# Altium PCB NORA-B1-EVK.PcbDoc (part 4 of 6)
Units mil, origin at the board's own origin, x right, y up, seen from the top; angles counter-clockwise.
Board outline 4300 x 2200 mil, 4 copper layers (L1, L2, L3, L4), stack 61.418 mil thick; 362 components, 204 nets, 1273 pads, 1409 vias.
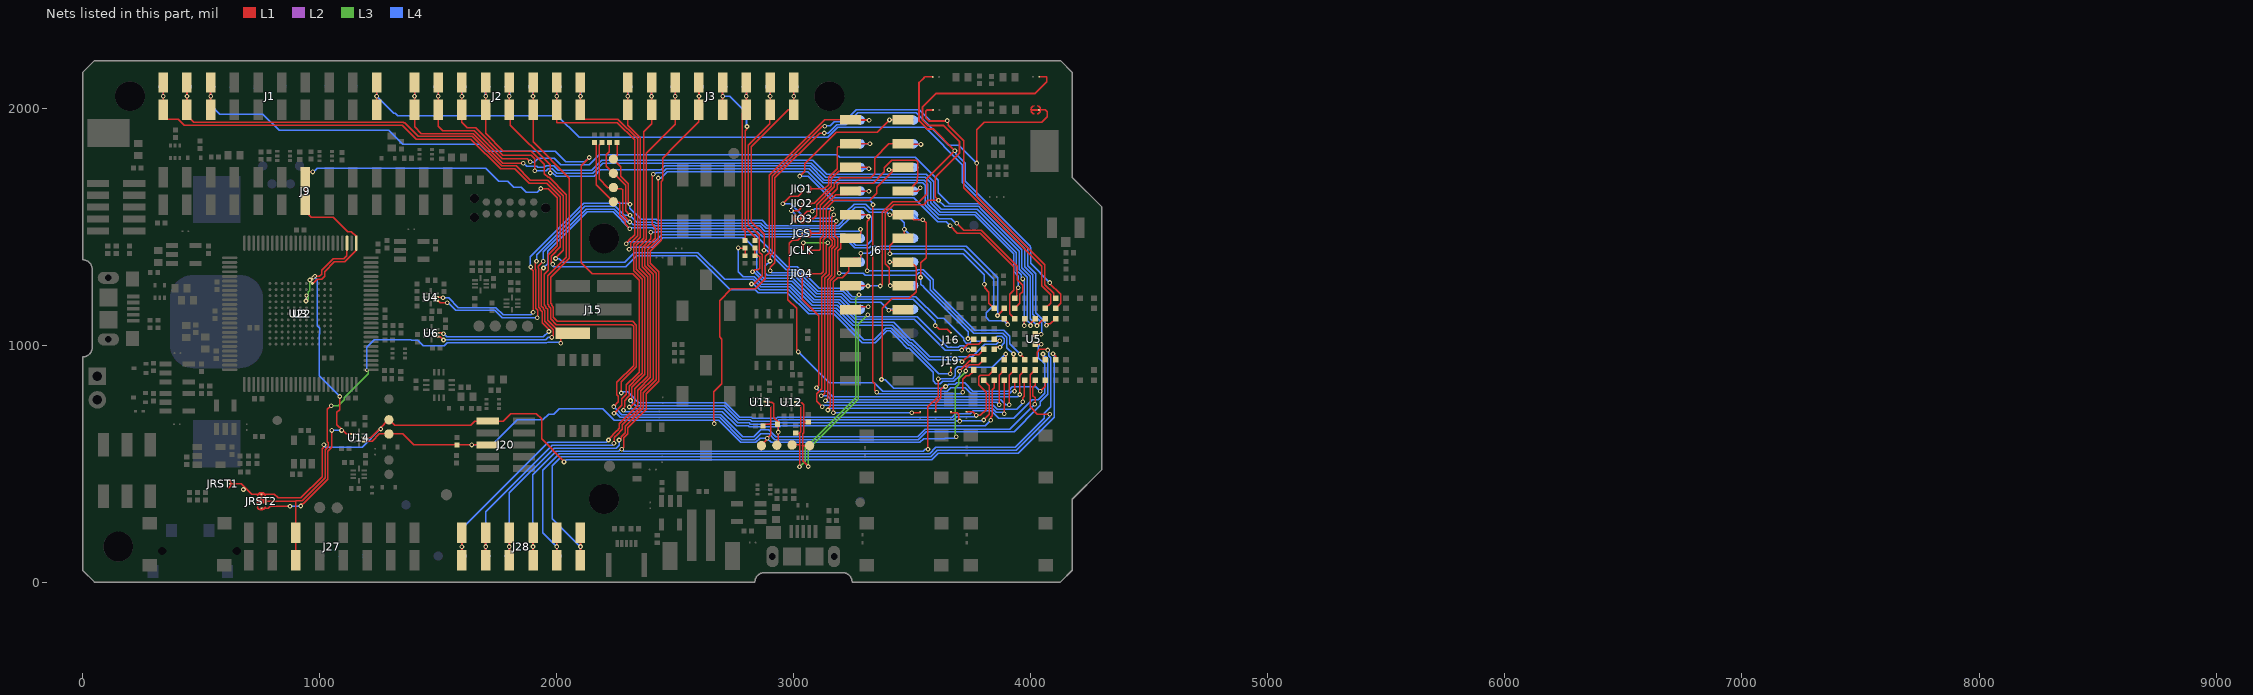
[diagram p6: the nets of this part, all layers, seen from the top]

## Via types
v1: diameter 20, hole 10, L1 to L4, 1095 vias
v2: diameter 15.75, hole 7.87, L1 to L2, 114 vias
v3: diameter 20, hole 10, L1 to L4, tented both sides, 105 vias
v4: diameter 15.75, hole 7.87, L3 to L4, 48 vias
v5: diameter 20, hole 10, L2 to L3, 47 vias

## Nets (pads, with @x,y where several pads share a name; then routed paths per layer and width w, separated by ;. In a path a pad name is that pad's centre, name@x,y a point inside that pad or via, vN(x,y) a via of type N, cw(c..) or ccw(c..) an arc to the next point about the centre after c; other vN are vias at no path point) (continued)
nMOD_RESET: JRST2.3 U3.78 U14.2 U22.C7 | length 1763
  L1 w6: JRST2.3@754,311.92 767.9,311.92 782.9,311.92 791.59,320.61 v1(874.99,320.61) ; v1@920.28,325.79 925.2,330.71 930.47,330.71 1034.54,434.78 1034.54,553 1051.1,569.56 1051.1,639.92 v1(1051.39,640.21) ; v2@976.97,1289.97 973.35,1286.36 v2(973.35,1285.05) 977.88,1289.57 998.75,1289.57 1008.95,1299.77 1008.95,1314.75 1057.53,1363.33 1100.97,1363.33 1115.16,1377.52 U3.78@1115.16,1430.33 ; v1(1084.15,783.19) 1084.15,727.42 1072.93,716.2 1072.93,662.96 1081.62,654.27 1084.09,654.27 1112.62,625.75 U14.2@1141.38,625.75
  L2 w6: v5(942.37,1185.9) 943.74,1185.9 v2@943.74,1208.3 ; v5(958.71,1274.49) 960.75,1274.49 971.31,1285.05 v2(973.35,1285.05)
  L3 w6: v5(942.37,1185.9) 952.44,1195.97 952.44,1224.04 958.71,1230.3 v5(958.71,1274.49) 963.17,1274.49 v4(980.38,1291.7)
  L4 w6: v1(874.99,320.61) 919.69,320.61 v1(920.28,321.2) ; v4(980.38,1291.7) 976.93,1288.25 990,1275.18 990,1080.97 999.75,1071.22 999.75,1047.46 997.51,1045.22 997.51,869.83 v1(1084.15,783.19) ; v1(1051.39,640.21) v1(1092.46,640.21)
  other v2: 943.9,1208.86
nRESET: J20.10 JRST1.3 JRST2.1 TP17.1 U5.J3 U14.7 | length 4372.9
  L1 w6: JRST1.3@619.55,415 626.42,415 669,415 679.32,404.68 685.61,398.39 ; v1(678.15,390.93) 685.61,398.39 ; v1(1017.72,579.75) 1017.72,569.85 1010.73,562.86 1010.73,444.64 921.09,355 824.41,355 808.41,371 767.9,371 JRST2.1@754,371 740.1,371 713,371 685.61,398.39 ; U14.7@1188.62,610 1214.9,610 v1@1255.17,650.26 ; v1(1257.89,646.09) 1257.89,647.53 v1@1255.16,650.26 ; v1(2030.51,507.28) 2030.51,510.28 1936.02,604.76 1936.02,688.81 1914.47,710.37 1805.84,710.37 1774.47,679 J20.10@1708.23,679 1707.9,678.67 1654.65,678.67 1637.31,661.33 1315.67,661.33 TP17.1@1292,685 1289.9,685 v1@1255.17,650.26 ; v1(4093.7,963.63) 4104.92,952.41 U5.J3@4104.92,938.39
  L4 w6: v1(1017.72,579.75) 1017.72,575.04 1023.85,568.91 1179.22,568.91 1256.41,646.09 v1(1257.89,646.09) ; v1(2030.51,507.28) 2040.31,517.08 3071.47,517.08 3582.41,517.08 3609.62,544.29 3946.74,544.29 4098.43,695.97 4098.43,961.38 4094.82,964.98 4093.7,963.86 v1(4093.7,963.63)
nSHLD_RESET: J9.7 J15.5 J27.3 JRST2.2 U3.76 U22.A8 | length 4636.5
  L1 w6: JRST2.2@754,341.85 843.15,341.85 843.53,341.47 900,341.47 ; J27.3@900,92.32 J27.3@900,207.68 900,341.47 ; U22.A8@969.49,1260.04 971.06,1260.04 973.91,1262.89 974.92,1262.89 989.07,1277.03 1007.91,1277.03 1020.86,1289.98 1020.86,1309.82 1062.46,1351.42 1106.33,1351.42 1154.53,1399.62 U3.76@1154.53,1430.33 1154.53,1458.16 1134.13,1478.56 1117.89,1478.56 1056.69,1539.76 964.98,1539.76 940,1564.75 J9.7@940,1592.32 941.99,1594.32 941.99,1705.68 J9.7@940,1707.68 940,1713.44 957.08,1730.52 v1(971.09,1730.52) ; v1(1048.28,744.13) 1032.48,728.33 1032.48,591.72 1036.62,587.58 1036.62,571.92 1022.64,557.93 1022.64,439.71 925.54,342.61 901.14,342.61 900,341.47 ; v1(1933.07,1660.43) 1964.36,1660.43 2002.95,1621.84 2002.95,1418.65 1964.46,1380.17 1964.46,1316 1947.62,1299.16 1947.62,1169.63 1954.62,1162.63 1954.62,1158.09 1961.91,1150.81 1961.91,1105.87 2017.77,1050 J15.5@2067.6,1050 ; v1(2016.71,1008.08) 2016.71,1047.17 J15.5@2017.77,1048.23
  L3 w6: v1(1048.28,744.13) 1078.48,744.13 1104.06,769.71 1104.06,778.28 1203.89,878.11 1203.89,894.3 v4(1199.02,894.3)
  L4 w6: v1(971.09,1730.52) 974.99,1730.52 990.53,1746.06 1700.54,1746.06 1754.67,1691.93 1793.31,1691.93 1818.9,1666.34 1850.43,1666.34 1871.11,1645.66 1918.3,1645.66 v1(1933.07,1660.43) ; v4(1199.02,894.3) 1199.02,990.53 1230.07,1021.58 1385.96,1021.58 1386.12,1021.42 1413.12,1021.42 1437.79,996.75 1524.43,996.75 1537.51,1009.83 1958.9,1009.83 1961.94,1012.87 2011.92,1012.87 v1(2016.71,1008.08)
P00: J3.8 J16.3 TP30.1 | length 1802.3
  L1 w6: v1(2874.27,1400.31) 2874.4,1400.31 2874.59,1400.31 2874.59,1466.58 2819.88,1521.29 2819.88,1835.84 2976.36,1992.32 J3.8@3000,1992.32 J3.8@3000,2107.68 ; v1(3597.31,1082.34) 3612.81,1066.84 3648.11,1066.84 J16.3@3663.02,1051.93
  L4 w6: v1(2874.27,1400.31) 2886,1400.31 2967.88,1318.43 3010.55,1318.43 3101.51,1227.47 3199.67,1227.47 3199.83,1227.47 3207.78,1227.47 3242.15,1193.09 3504.34,1193.09 3596.1,1101.34 3596.1,1083.55 v1(3597.31,1082.34)
  L4 w8: v1(3000,2050) TP30.1@3000,2090
P0.2/NFC1: R15.2 R22.2 U5.C5 | length 1468.3
  L1 w6: v1(2766.14,1409.91) 2766.54,1409.5 R15.2@2794.29,1409.5 R22.2@2794.29,1376.95 ; U5.C5@3845.08,1025 3851.38,1018.7 v1(3868.6,1018.7)
  L4 w6: v1(2766.14,1409.91) 2766.14,1309.16 2785.93,1289.37 2833.54,1289.37 2865.65,1257.26 2866.67,1257.26 2987.67,1257.26 3076.89,1168.04 3175.05,1168.04 3175.21,1168.04 3180.54,1168.04 3183.16,1168.04 3255.44,1095.76 3420.81,1095.76 3494.16,1022.41 3501.42,1022.41 3573.83,950 3752.3,950 3805.64,1003.35 3854.65,1003.35 3868.6,1017.3 v1(3868.6,1018.7)
P0.3/NFC2: R16.2 R23.2 U5.B5 | length 1270.5
  L1 w6: v1(2825.82,1309.09) v1@2825.97,1309.09 ; v1@2826,1309.12 2827.05,1309.12 2834.77,1316.84 2847.81,1316.84 2855.41,1324.44 2855.41,1372.39 2850.85,1376.95 R23.2@2835.63,1376.95 R16.2@2835.63,1409.34 ; v1(3709.05,978.83) 3733.57,1003.35 3780.12,1003.35 U5.B5@3801.77,1025
  L4 w6: v1(2825.82,1309.09) v1@2825.97,1309.09 ; v1@2826,1309.12 2831.64,1309.12 2832.58,1308.18 2832.58,1307.16 2870.58,1269.16 2871.6,1269.16 2992.6,1269.16 3081.82,1179.94 3179.98,1179.94 3180.14,1179.94 3185.47,1179.94 3188.09,1179.94 3259.44,1108.59 3509.12,1108.59 3638.88,978.83 v1(3709.05,978.83)
P0.11: J6.1 J20.6 R72.1 R80.1 TP18.1 TP20.1 TP57.1 U5.B3 U11.6 U14.6 | length 5163.8
  L1 w5.91: TP20.1@2863.47,575.79 2863.47,579.01 2887.81,603.35 v1(2887.81,606.57) ; R80.1@2869.73,658.57 2877.5,666.34 2899.5,666.34 2901.38,668.21 ; U11.6@2884.87,745.42 2885.19,745.1 2898.6,745.1 2903.7,740 2903.7,670.11 2902.56,668.97 2902.56,622.59 v1@2887.18,607.21
  L1 w6: U14.6@1188.62,594.25 1221.26,594.25 1252.01,625 TP18.1@1292,625 1351.38,625 1397.38,579 v1(1641.64,579) J20.6@1708.23,579 ; v1(2664.37,668.97) 2664.37,686.74 2663.39,687.73 2663.39,803.85 2695.96,836.43 2695.96,1025.5 2687.01,1034.45 2687.01,1187.29 2736.49,1236.78 2836.41,1236.78 2880.29,1280.66 2880.29,1374.26 2896.54,1390.51 2896.54,1716.61 3129.93,1950 J6.1@3238.78,1950 ; v1@3725.23,890.95 v1@3725.39,890.79 ; v1(3725.58,890.79) v1@3725.39,890.79 ; U5.B3@3801.77,938.39 3780.81,917.42 3741.22,917.42 3740.68,916.88 3727.31,903.52 3727.31,888.87 v1@3725.39,890.79
  L1 w8: J6.1@3238.78,1950 3239.78,1949 v1(3317.72,1949)
  L3 w6: v1@3680.74,612.89 3680.74,819.36 3696.38,835 3696.38,857.93 3725.58,887.13 v1(3725.58,890.79)
  L4 w6: v1(1641.64,579) 1728.15,579 1833.2,684.06 1941.93,684.06 1966.36,708.49 1987.22,708.49 2010.61,731.88 2194.51,731.88 2243.68,682.71 2664.37,682.71 2682.51,682.71 2775.92,589.31 2840.52,589.31 2858.59,607.37 2887.01,607.37 v1(2887.81,606.57) ; v1(2664.37,668.97) 2664.37,680.97 2666.11,682.71 ; v1@2888.62,607.37 2888.62,605.76 2905.08,589.31 3532.01,589.31 3548.02,605.32 3636.06,605.32 3638.83,608.08 3680.4,608.08 v1(3685.21,612.89)
  L4 w8: TP57.1@3281,1949 3282,1950 3283,1949 v1(3317.72,1949)
P01: J3.7 J19.3 TP31.1 | length 2046.5
  L1 w6: v1(2821.5,1257.83) 2821.74,1258.07 2821.74,1259.29 2832.18,1259.29 2832.62,1259.72 2833.94,1258.4 2867.31,1291.77 2867.31,1380.5 2855.36,1392.45 2855.36,1462.73 2807.95,1510.13 2807.95,1842.63 2898.86,1933.54 2898.86,1970.71 2899.61,1971.46 2899.61,1991.93 J3.7@2900,1992.32 v1(2900,2050) J3.7@2900,2107.68 ; v1(3660.61,878.98) 3661.46,878.98 3662.57,880.09 J19.3@3662.57,905.22
  L4 w6: v1(2821.5,1257.83) 2821.74,1258.07 2821.74,1259.29 2829.95,1259.29 2855.79,1233.45 2856.8,1233.45 2977.81,1233.45 3067.03,1144.23 3165.19,1144.23 3165.35,1144.23 3170.67,1144.23 3173.3,1144.23 3294.67,1022.86 3338.62,1022.86 3387.71,1071.94 3410.95,1071.94 3484.32,998.57 3491.59,998.57 3518.82,971.34 3611.22,878.94 3660.57,878.94 v1(3660.61,878.98)
  L4 w8: v1(2900,2050) TP31.1@2900,2090
P02: J3.6 R15.1 TP32.1 | length 717.9
  L1 w6: R15.1@2794.29,1441 2794.29,1479.45 2783.54,1490.2 2783.54,1913.19 2783.54,1931.38 2783.54,1975.87 J3.6@2800,1992.32
  L1 w8: J3.6@2800,1992.32 v1(2800,2050) J3.6@2800,2107.68
  L4 w8: v1(2800,2050) TP32.1@2800,2090
P03: J3.5 R16.1 TP33.1 | length 854.8
  L1 w6: v3(2802.45,1922.28) 2801.46,1922.28 2801.46,1910.43 2796,1904.97 2796,1496.91 2835.63,1457.28 R16.1@2835.63,1440.84
  L1 w8: J3.5@2700,1992.32 v1(2700,2050) J3.5@2700,2107.68
  L4 w6: v1(2700,2050) TP33.1@2700,2090 TP33.1@2710.2,2090
  L4 w8: v1(2700,2050) 2729.51,2050 2801.18,1978.33 2801.18,1922.28 v3(2802.45,1922.28)
P04: J28.1 TP82.1 U5.D8 | length 3740
  L1 w6: v1(2218.5,599.47) 2218.5,603.59 2254.02,639.12 2254.51,639.12 2264.01,648.61 2264.01,667.67 2342.18,745.84 2342.18,809.73 2342.35,809.9 2342.35,810.11 2343.5,811.27 2343.5,811.71 2395.43,863.63 2395.43,1294 2359.76,1329.67 2359.76,1411.52 2396.89,1448.65 2396.89,1475.97 v1(2397.06,1475.97) ; v1(3859.44,1125.05) 3879.57,1145.19 3879.57,1146.11 U5.D8@3888.39,1154.92
  L1 w8: J28.1@1600,92.32 J28.1@1600,207.68
  L4 w6: TP82.1@1600,110 v1@1599.97,149.78 ; v1@1600,150 1600,225.98 1964.4,590.39 2209.42,590.39 v1(2218.5,599.47) v1@2218.5,604.1 ; v1(2397.06,1475.97) 2421.41,1475.99 2424.15,1478.74 2846.63,1478.74 2868.68,1456.69 3209.42,1456.69 3256.36,1409.75 3319.2,1409.75 3325.56,1416.11 3727.84,1416.11 3859.44,1284.51 v1(3859.44,1125.05)
  other v1: 1599.94,149.81
P05: J28.2 TP81.1 U5.E8 | length 4175
  L1 w6: v1(2241.26,585.54) 2241.6,585.87 2241.6,608.8 2244.83,612.03 2244.83,612.59 2252.45,620.21 2276.5,644.26 2276.5,661.13 2276.7,661.33 2276.7,663.52 2354.08,740.9 2354.08,804.79 2354.25,804.96 2354.25,805.18 2355.41,806.34 2355.41,806.77 2407.34,858.7 2407.34,1298.93 2371.67,1334.6 2371.67,1406.59 2415.96,1450.88 2415.96,1495.46 2401.96,1509.46 2401.96,1710.24 2407.28,1715.55 v1(2407.28,1721.12) ; v1(3687.01,1513.78) 3716.54,1484.25 3790.71,1484.25 3790.9,1484.44 3941.83,1333.51 3941.83,1276.12 3965.65,1252.31 3965.65,1225.13 3954.25,1213.74 3954.25,1177.48 U5.E8@3931.69,1154.92
  L1 w8: J28.2@1700,92.32 J28.2@1700,207.68
  L4 w6: TP81.1@1700,110 v1(1700,150) 1700,297.56 1980.04,577.59 2233.44,577.59 2241.26,585.42 v1(2241.26,585.54) ; v1(2407.28,1721.12) 2412.85,1721.12 2419.18,1727.46 2444.87,1727.46 2461.09,1743.68 3064.49,1743.68 3124.02,1684.15 3544.5,1684.15 3554.13,1674.52 3554.13,1590.07 3610.78,1533.42 3663.58,1533.42 3683.22,1513.78 v1(3687.01,1513.78)
P06: J28.3 TP80.1 U5.E7 | length 4066.3
  L1 w6: v1(2263.13,599.43) 2263.13,599.66 2271.23,607.76 2271.23,613.26 2288.4,630.43 2288.4,656.2 2288.6,656.4 2288.6,658.59 2365.99,735.97 2365.99,799.86 2366.16,800.03 2366.16,800.25 2419.24,853.34 2419.24,1303.87 2383.57,1339.53 2383.57,1401.66 2428.27,1446.35 v1(2428.27,1704.81) ; v1(3659.45,1502.95) 3659.71,1502.95 3690.31,1472.35 3786.16,1472.35 3927.75,1330.76 3927.75,1231.46 3910.76,1214.48 3910.76,1133.18 3915.92,1128.03 3915.92,1127.39 U5.E7@3931.69,1111.61
  L1 w8: J28.3@1800,92.32 v1(1800,150) J28.3@1800,207.68
  L4 w6: TP80.1@1800,110 v1(1800,150) 1800,376.77 1988.82,565.59 2251.89,565.59 2263.89,577.59 2263.89,598.67 v1(2263.13,599.43) ; v1(2428.27,1704.81) 2439.06,1704.81 2466.02,1731.77 3058.44,1731.77 3169.05,1621.16 3506.21,1621.16 3607.38,1519.98 3642.42,1519.98 v1(3659.45,1502.95)
P07: J3.4 J28.4 TP34.1 U5.D3 | length 4579.5
  L1 w6: v1(2274.61,561.09) 2283.14,569.62 2283.14,608.33 2300.31,625.5 2300.31,651.26 2377.89,728.85 2377.89,794.93 2379.54,796.58 2383.4,800.44 2431.15,848.19 2431.15,1308.8 2395.48,1344.47 2395.48,1396.73 2440.17,1441.42 2440.17,1689.98 2447.17,1696.98 2447.17,1788.58 2503.09,1844.49 2600,1941.4 J3.4@2600,1992.32 ; v1(3565.94,561.02) 3565.94,739.56 3609.13,782.75 v1(3609.13,857.28) ; U5.D3@3888.39,938.39 3893.68,943.68 v1(3893.68,962.66)
  L1 w8: J28.4@1900,92.32 J28.4@1900,207.68 ; J3.4@2600,1992.32 v1(2600,2050) J3.4@2600,2107.68
  L4 w6: v1(1900,150) 1898.43,151.57 1898.43,453.16 1998.07,552.8 2262.52,552.8 2270.82,561.09 v1(2274.61,561.09) 2282.69,553.01 2555.66,553.01 3546.22,553.01 3554.24,561.02 v1(3565.94,561.02) ; v1(3609.13,857.28) 3621.45,857.28 3623.25,859.08 3670.75,859.08 3681.48,869.81 3681.48,881.31 3680.47,882.32 3680.47,887.49 3680.39,887.56 3680.39,898.32 3691.13,909.06 3716.37,909.06 3717.17,909.86 3732.83,909.86 3732.99,909.7 3733.41,909.7 3737.51,905.59 3836.61,905.59 v1(3893.68,962.66)
  L4 w8: v1(2600,2050) TP34.1@2600,2090
P08: J3.3 J22.2 TP35.1 U5.B1 | length 3316.3
  L1 w6: v1(2306.15,738.9) 2309.94,738.9 2316.44,745.4 2319.05,745.4 2330.12,756.47 2330.12,815.75 2383.53,869.16 2383.53,1289.07 2347.86,1324.74 2347.86,1416.45 2351.27,1419.87 2378.15,1446.74 2378.15,1808.97 2500,1930.82 J3.3@2500,1992.32 ; 3663.13,712.66 J22.2@3663.13,718.76 3667.42,714.47 3689.84,714.47 3696.38,707.93 3696.38,682.8 v1(3699.65,679.53) ; U5.B1@3801.77,851.77 3825.49,828.05 3825.49,707.77 v1@3801.87,684.16
  L1 w8: J3.3@2500,1992.32 v1(2500,2050) J3.3@2500,2107.68
  L4 w6: v1(2306.15,738.9) 2306.34,739.08 2313.33,732.09 2702.84,732.09 2703.54,731.39 2703.96,731.39 2763,672.35 2811.75,672.35 2817.27,666.83 2862.22,666.83 2907.47,666.83 2936.24,666.83 2941.76,672.35 3678.57,672.35 3686.33,680.12 3696.38,680.12 3696.97,679.53 v1(3699.65,679.53) ; v1@3699.65,680.12 3797.63,680.12 v1(3801.77,684.26)
  L4 w8: v1(2500,2050) TP35.1@2500,2090
P09: J3.2 J23.2 TP36.1 U5.C2 | length 3294.1
  L1 w6: v1(2311.14,765.79) 2311.14,764.38 2311.22,764.3 2311.81,763.72 2312.66,764.58 2317.35,769.26 2317.35,822.36 2371.62,876.63 2371.62,1284.14 2335.95,1319.81 2335.95,1421.38 2366.24,1451.68 2366.24,1900.06 2400,1933.82 J3.2@2400,1992.32 v1(2400,2050) ; J23.2@3728.13,718.76 3754.87,718.76 3770.28,703.35 3786.53,703.35 3811.24,728.05 3811.24,801.98 3781.06,832.16 3781.06,867.27 3783.46,869.68 3783.46,871 3785.5,873.03 3823.03,873.03 U5.C2@3845.08,895.08
  L1 w8: v1(2400,2050) J3.2@2400,2107.68
  L4 w6: v1(2311.14,765.79) 2311.14,764.38 2311.22,764.3 2311.81,763.72 2309.94,761.85 2307.93,759.84 2316.48,759.84 2332.32,744 2707.77,744 2708.47,743.3 2708.89,743.3 2767.93,684.26 2816.68,684.26 2822.2,678.74 2867.15,678.74 2902.54,678.74 2931.31,678.74 2936.83,684.26 3673.64,684.26 3687.81,698.43 3765.36,698.43 v1(3770.28,703.35)
  L4 w8: v1(2400,2050) TP36.1@2400,2090
P10: J3.1 R79.1 TP21.1 TP37.1 U5.C1 U11.7 | length 3510.6
  L1 w5.91: J3.1@2300,2107.68 v1(2300,2050) J3.1@2300,1992.32 2300,1928.27 2352.66,1875.6 2352.66,1867.18 2353,1866.84 2353,1455.2 2324.09,1426.3 2324.09,1314.04 2359.76,1278.37 2359.76,881.54 2341.82,863.6
  L1 w6: v1(2281.61,725.43) 2281.61,733.48 2283.82,735.69 2282.48,737.03 2286.31,740.86 2286.31,765.87 2292.23,771.79 2292.23,773.62 2303.31,784.69 2305.13,784.69 2305.45,785.01 2305.45,827.29 2341.79,863.64 ; U11.7@2884.87,761.17 2886.2,759.84 2908.05,759.84 2916.28,751.61 2916.28,694.08 R79.1@2937.97,672.39 ; TP21.1@2928.67,577.59 2934.55,583.47 2934.55,668.48 R79.1@2934.06,668.97 ; v1(3830.89,682.86) 3830.89,696.34 3837.39,702.84 3837.39,811.98 3845.08,819.67 U5.C1@3845.08,851.77
  L4 w6: v1(2281.61,725.43) 2282.44,725.43 2288.39,719.49 2699.03,719.49 2758.78,659.73 2807.54,659.73 2812.34,654.93 2902.54,654.93 2934.55,654.93 ; v1(2934.55,632.9) 2934.55,654.93 ; v1(3830.89,682.86) 3830.89,681.94 3808.68,659.73 2945.97,659.73 2941.17,654.93 2934.55,654.93
  L4 w8: v1(2300,2050) TP37.1@2300,2090
P12: J6.2 TP56.1 U5.A2 | length 2305
  L1 w6: v1(3025.29,1712.86) 3025.75,1713.32 3026.21,1712.86 3047.06,1733.71 3047.06,1765.77 3179.91,1898.62 3352.62,1898.62 v1(3404,1950) J6.2@3461.22,1950 ; v1(3334.2,1592.6) 3334.09,1592.49 3334.09,844.37 3340.72,837.75 3340.72,810.08 v1(3349.57,801.22) ; v1(3712.78,801.09) 3712.78,856.19 3727.6,871.01 3738.75,871.01 3758.46,890.72 U5.A2@3758.46,895.08
  L4 w6: v1(3025.29,1712.86) 3025.75,1713.32 3026.21,1712.86 3060.51,1712.86 3135.83,1637.55 3164.12,1609.25 3257.25,1609.25 3258.23,1608.27 3321.53,1608.27 3334.2,1595.59 v1(3334.2,1592.6) ; v1@3347.64,801.22 v1(3349.57,801.22) 3356.91,793.88 3705.44,793.88 3712.65,801.09 v1(3712.78,801.09) ; v1(3404,1950) 3505,1950 TP56.1@3506,1949
P13: J6.3 JIO1.3 TP61.1 | length 445.7
  L1 w6: JIO1.3@3065.33,1658.68 3072.2,1658.68 3129.28,1658.68 3146.56,1675.95 3146.56,1708.08 3183.16,1744.68 3183.16,1832.68 3186.32,1835.84 3224.62,1835.84 J6.3@3238.78,1850 3320.32,1850 v1(3321.07,1849.25)
  L4 w6: TP61.1@3281,1849.25 v1(3321.07,1849.25)
P13/QSPI_DIO0: JIO1.2 U5.D2 | length 2066
  L1 w6: v1(2954.13,1596.59) 2985.33,1627.79 3018.07,1627.79 3035.78,1645.5 JIO1.2@3035.78,1658.68 ; v1(3133.5,765.75) 3142.51,774.75 3142.51,1276.36 3160.74,1294.59 3160.74,1406.46 3173.68,1419.39 3173.68,1444.92 3160.74,1457.86 3160.74,1538.29 3168.01,1545.55 3168.01,1549.3 v1(3168.34,1549.64) ; v1(3867.13,748.31) 3867.13,873.82 U5.D2@3888.39,895.08
  L4 w6: v1(2954.13,1596.59) 2987.08,1596.59 3048.17,1535.5 3154.21,1535.5 v1(3168.34,1549.64) ; v1(3133.5,765.75) 3136,765.75 3143.78,757.97 3857.19,757.97 3866.99,748.17 v1(3867.13,748.31)
P14: J6.4 JIO3.3 TP60.1 | length 710.7
  L1 w6: JIO3.3@3065.33,1532.92 3072.2,1532.92 3082.79,1532.92 3097.39,1547.52 3097.39,1593.11 3171.25,1666.97 3171.25,1681.88 3196.37,1706.99 3324.34,1706.99 3340.71,1723.37 3340.71,1788.55 3401.42,1849.25 3460.47,1849.25 J6.4@3461.22,1850 3464.56,1846.66 v1(3536.3,1846.66)
  L4 w6: TP60.1@3506,1849.25 3528.73,1849.25 3533.81,1844.17 v1(3536.3,1846.66)
P14/QSPI_DIO1: JIO3.2 U5.E2 | length 1937.5
  L1 w6: JIO3.2@3035.78,1532.92 3035.78,1544.27 3042.15,1550.64 3056.67,1565.16 v1(3077.7,1565.16) ; v1(3116.29,786.46) 3119.65,786.46 3130.6,797.41 3130.6,1281.29 3148.84,1299.52 3148.84,1411.39 3161.78,1424.33 3161.78,1439.99 3148.84,1452.92 3148.84,1562.15 v1(3162.15,1575.46) ; v1(3909.1,748.31) 3909.1,872.49 U5.E2@3931.69,895.08
  L4 w6: v1(3077.7,1565.16) 3088.01,1575.46 v1(3162.15,1575.46) v1@3161.43,1576.18 ; v1(3116.29,786.46) 3141.05,786.46 3157.63,769.87 3872.45,769.87 3894.29,748.03 3909.1,748.03 v1(3909.1,748.31)
P15: J6.5 JIO2.3 TP63.1 | length 377.1
  L1 w6: JIO2.3@3065.33,1598.43 3072.2,1598.43 3085.87,1598.43 3158.56,1671.12 3158.56,1702.23 3190.07,1733.75 3222.53,1733.75 J6.5@3238.78,1750 3316.36,1750 3316.86,1749.5 v1(3316.86,1743.51)
  L4 w6: TP63.1@3281,1749.5 3286.99,1743.51 v1(3316.86,1743.51)
P15/QSPI_DIO2: JIO2.2 U5.D1 | length 2002
  L1 w6: v1(2989.87,1567.06) 2990.44,1567.63 3018.45,1567.63 3035.78,1584.96 JIO2.2@3035.78,1598.43 ; v1(3144,726.47) 3144,730.62 3154.42,741.03 3154.42,1271.43 3172.65,1289.66 3172.65,1401.53 3185.59,1414.46 3185.59,1449.85 3172.65,1462.79 3172.65,1510.64 3178.14,1516.13 3178.14,1523.22 v1(3179.65,1523.22) ; v1(3887.51,710.07) 3887.51,710.29 3888.39,711.17 U5.D1@3888.39,851.77
  L4 w6: v1(2989.87,1567.06) 2991.15,1567.06 3036.31,1521.91 3169.33,1521.91 3178.14,1521.91 3178.14,1523.22 v1(3179.65,1523.22) ; v1(3144,726.47) 3144,730.62 3147.54,734.16 3837.37,734.16 3854.41,717.12 3882.44,717.12 3887.51,712.05 v1(3887.51,710.07)
P16: J6.6 JIO4.3 TP62.1 | length 922.4
  L1 w6: JIO4.3@3065.34,1301.59 3072.2,1301.59 3115.83,1301.59 3123.92,1309.68 3123.92,1443.68 3136.93,1456.69 3136.93,1577.15 3171.21,1611.43 3320.78,1611.43 3350.49,1641.13 3350.49,1665.45 3435.04,1750 J6.6@3461.22,1750 3451.22,1740 3400.65,1740 v1(3401.42,1739.24)
  L4 w6: v1@3401.42,1742.06 v1(3401.42,1739.24) 3495.74,1739.24 TP62.1@3506,1749.5
P16/QSPI_DIO3: JIO4.2 U5.F2 | length 1506.2
  L1 w6: JIO4.2@3035.79,1302.09 3035.79,1193.97 3106.3,1123.46 3106.3,829.93 v1(3096.08,819.72) ; v1(3953.74,791.58) 3953.74,873.82 U5.F2@3975,895.08
  L4 w6: v1(3096.08,819.72) 3096.08,818.38 3108.27,806.19 3140.81,806.19 3165.02,781.98 3944.13,781.98 v1(3953.74,791.58)
P17: J6.7 JCLK.3 TP65.1 | length 489.1
  L1 w6: JCLK.3@3065.33,1400.16 3072.2,1400.16 3107.22,1400.16 3112.02,1404.96 3112.02,1448.61 3125.03,1461.62 3125.03,1582.08 3127.92,1584.97 3127.92,1585.77 3176.7,1634.55 3223.33,1634.55 J6.7@3238.35,1649.57 ; J6.7@3238.78,1649.13 J6.7@3238.34,1649.56 ; v1(3316.86,1649.13) 3316.43,1648.7 3240.08,1648.7 J6.7@3238.78,1650 J6.7@3238.35,1649.57
  L4 w6: TP65.1@3281,1649.75 3281.62,1649.13 v1(3316.86,1649.13)
P17/QSPI_CLK: JCLK.2 U5.F1 | length 1850.7
  L1 w6: JCLK.2@3035.78,1400.16 3035.78,1427.13 v1(3040.6,1431.95) ; JCLK.2@3039.62,1399.47 v1@3039.62,1426.44 ; v1(3120.23,739.56) 3097.39,762.41 3097.39,794.29 3118.7,815.6 3118.7,1286.22 3136.93,1304.46 3136.93,1422.05 3142.87,1427.99 v1(3142.87,1432.16) ; v1(3965.65,760.83) 3965.65,776.75 3972.65,783.75 3972.65,849.42 U5.F1@3975,851.77
  L3 w6: v1(3040.6,1431.95) 3041.31,1432.66 3142.37,1432.66 v1(3142.87,1432.16)
  L4 w6: v1(3120.23,739.56) 3126.73,746.06 3181.92,746.06 3842.3,746.06 3858.96,729.41 3940.04,729.41 3965.65,755.02 v1(3965.65,760.83)
P18: J6.8 JCS.3 TP64.1 | length 933.2
  L1 w6: JCS.3@3065.33,1472.35 3072.2,1472.35 3110.15,1472.35 3112.21,1474.41 3112.21,1589.3 3183.16,1660.24 3183.16,1676.95 3189.39,1683.18 3334.2,1683.18 3381.89,1730.87 3381.89,1748.63 3412.79,1779.53 3515.64,1779.53 3521.91,1773.26 3521.91,1708.92 3521.63,1708.64 3521.63,1688.99 J6.8@3482.64,1650 ; J6.8@3461.22,1650 J6.8@3482.64,1650 ; v1(3533.82,1663.48) 3520.34,1650 J6.8@3482.64,1650
  L4 w6: TP64.1@3500.25,1644 TP64.1@3506,1649.75 3520.09,1649.75 v1(3533.82,1663.48)
P18/QSPI_C\S\: JCS.2 U5.E1 | length 1607
  L1 w6: v1(3019.05,971.36) 3012.35,978.06 3012.35,1154.97 2975.58,1191.75 2975.58,1319.2 2981.39,1325.02 2981.39,1430.65 2992.88,1442.14 3017.59,1442.14 3035.78,1460.33 JCS.2@3035.78,1472.35 ; v1(3931.29,805.16) 3931.29,807.13 3931.69,807.52 U5.E1@3931.69,851.77
  L4 w6: v1(3019.05,971.36) 3149.59,840.82 3340.35,840.82 3375.38,805.79 3647.63,805.79 3661.84,820 3722.4,820 3748.11,794.29 3909.11,794.29 3919.98,805.16 v1(3931.29,805.16)
P19: J6.9 R76.1 TP7.1 TP67.1 U5.F3 U6.6 | length 4170.9
  L1 w6: U6.6@1494.65,1035.43 1508.16,1035.43 v1(1522.16,1021.42) ; v1(1943.9,1325.43) 1935.72,1317.25 1935.72,1164.69 1942.72,1157.69 1942.72,1153.16 1950,1145.88 1950,1100.9 1986.25,1064.65 1986.25,1040.34 v1(1978.44,1032.53) ; R76.1@2159.45,1854.95 2166.34,1848.06 2166.34,1677.34 TP7.1@2239.11,1604.57 ; TP7.1@2239.11,1603.58 2263.36,1603.58 2266.02,1600.92 2266.02,1544.68 2288.18,1522.52 2288.18,1511.12 v1(2307.99,1491.31) ; J6.9@3239.78,1550 3308.1,1550 3315.86,1542.24 v1(3315.19,1542.24) ; v1(3310.04,1313.76) 3310.04,1523.14 3317.72,1530.82 v1@3317.72,1542.24 ; v1(3954.92,962.19) 3975,942.11 U5.F3@3975,938.39
  L4 w6: v1(1522.16,1021.42) 1532.26,1021.42 1532.58,1021.74 1953.97,1021.74 1964.76,1032.53 v1(1978.44,1032.53) ; v1(1943.9,1325.43) 1962.46,1344 1962.46,1395.53 2128.83,1561.9 2237.4,1561.9 v1(2307.99,1491.31) 2311.76,1495.08 2404.54,1495.08 2408.98,1490.65 2851.56,1490.65 2873.61,1468.6 3215.46,1468.6 3262.4,1421.66 3308.23,1421.66 3329.63,1443.05 3329.63,1538.09 v1@3321,1546.72 ; TP67.1@3281,1550 3313.5,1550 3314.48,1549.02 3318.7,1549.02 v1@3321,1546.72 ; v1(3310.04,1313.76) 3518.93,1313.76 3522.67,1317.49 3545.97,1317.49 3587.82,1275.64 3587.82,1238.48 3763.31,1062.99 3885.83,1062.99 3911.32,1037.5 3911.32,1005.79 v1(3954.92,962.19) ; v1(3315.19,1542.24) 3316.52,1542.24 v1@3321,1546.72
P20: J6.10 R74.1 TP4.1 TP66.1 U4.6 U5.A5 | length 3580.2
  L1 w6: U4.6@1492.13,1187.01 1499.61,1187.01 1508.44,1178.17 v1(1538.17,1178.17) ; v1(1914.4,1354.19) 1909.45,1349.24 1909.45,1321.07 1910.34,1320.18 1911.91,1318.62 1911.91,1154.83 1918.91,1147.83 1918.91,1141.55 1919.68,1140.78 1919.68,1116.68 v1(1918,1115) ; R74.1@2222.44,1854.95 2222.44,1814.96 2209.65,1802.17 2209.65,1754.03 TP4.1@2239.11,1724.57 ; TP4.1@2239.11,1723.58 2241.81,1723.58 2290.4,1675 2290.4,1566.89 v1(2309.06,1548.23) ; v1(3405.11,1549.92) 3405.11,1550 3484.84,1550 3501.92,1532.92 3501.92,1532.73 3505.44,1529.21 v1(3544.45,1529.21) 3558.07,1515.59 3558.07,1369.4 3535.43,1346.77 3535.43,1289.09 3534.71,1288.36 v1(3534.71,1285.18) ; v1(3735.2,1027.5) 3755.96,1027.5 U5.A5@3758.46,1025
  L4 w6: v1(1538.17,1178.17) 1541.83,1178.17 1574,1146 1738.16,1146 1769.17,1115 v1(1918,1115) ; v1@1914.92,1354.14 1914.92,1381.67 2118.96,1585.71 2247.26,1585.71 2284.74,1548.23 v1(2309.06,1548.23) 2338.39,1518.89 2414.41,1518.89 2418.84,1514.46 2861.42,1514.46 2883.47,1492.41 3192.69,1492.41 3236.31,1536.04 3236.31,1558.69 3260.14,1582.51 3297.82,1582.51 3319.41,1560.93 3393.07,1560.93 3404,1550 3405.02,1550 v1(3405.11,1549.92) ; TP66.1@3506,1550 3526.79,1529.21 v1(3544.45,1529.21) ; v1(3534.71,1285.18) 3535.43,1284.46 3535.43,1257.87 3536.26,1257.05 3536.26,1256.89 3547.33,1245.82 3547.33,1244.09 3735.2,1056.22 v1(3735.2,1027.5)
P21: J6.11 R75.1 TP6.1 TP69.1 U5.E3 U6.7 | length 3957.1
  L1 w6: U6.7@1494.65,1051.18 1518.44,1051.18 1521.83,1047.79 v1(1522.53,1047.79) ; v1(1942.91,1354.14) 1922.15,1333.38 1922.15,1325.21 1922.24,1325.11 1923.81,1323.55 1923.81,1159.76 1930.81,1152.76 1930.81,1148.23 1938.09,1140.95 1938.09,1094.85 1959.92,1073.02 1959.92,1072.67 1966.72,1065.87 1966.72,1057.44 v1(1966.92,1057.24) ; R75.1@2190.55,1854.95 2179.18,1843.57 2179.18,1700.74 2215.35,1664.57 TP6.1@2239.11,1664.57 ; TP6.1@2239.11,1660.43 2272.56,1660.43 2277.93,1655.06 2277.93,1549.61 v1(2307.99,1519.55) ; v1(3191.93,1303.57) 3191.93,1306.58 3185.82,1312.69 3185.82,1397.86 3197.49,1409.53 3197.49,1432.89 3214.61,1450 J6.11@3215.16,1450 ; J6.11@3238.78,1450 3262.4,1450 3279.48,1467.08 3279.48,1468.94 3282,1471.46 3282,1487.68 v1(3281.5,1488.19) ; v1(3926.98,962.19) 3926.98,943.1 U5.E3@3931.69,938.39
  L4 w6: v1(1522.53,1047.79) 1536,1034.32 1944.01,1034.32 v1(1966.92,1057.24) ; v1@1942.91,1354.54 1942.91,1392.82 2123.89,1573.8 2242.33,1573.8 2296.59,1519.55 v1(2307.99,1519.55) ; v1@2308.59,1520.15 2321.76,1506.98 2409.48,1506.98 2413.91,1502.55 2856.49,1502.55 2878.54,1480.5 3273.81,1480.5 v1(3281.5,1488.19) TP69.1@3281.5,1450 ; v1(3191.93,1303.57) 3293.49,1303.57 3302.21,1294.85 3309.57,1294.85 3310.04,1294.39 3516.53,1294.39 3516.53,1294.51 3527.6,1305.59 3541.04,1305.59 3575.92,1270.71 3575.92,1233.55 3759.27,1050.2 3881.79,1050.2 3899.41,1032.57 3899.41,989.76 v1(3926.98,962.19)
P22: J6.12 R73.1 TP3.1 TP68.1 U4.7 U5.C8 | length 3598.2
  L1 w6: U4.7@1492.13,1202.76 v1@1515.91,1202.76 ; v1(1520,1199.37) v1@1520.51,1199.37 ; v1(1890.54,1329.61) 1890.54,1323.61 1890.31,1323.38 1898.43,1315.25 1900,1313.68 1900,1138.58 v1(1900.28,1138.3) ; R73.1@2255,1854.95 2255,1800.46 TP3.1@2239.11,1784.57 2271.06,1752.61 2271.06,1712.85 2302.3,1681.61 2302.3,1601.24 2309.06,1594.49 v1(2309.3,1594.49) ; v1(3405.51,1385.3) 3405.51,1418.31 3420.13,1432.92 3444.14,1432.92 3466.58,1455.36 v1(3466.58,1489.17) ; v1(3804.13,1256.32) 3805.29,1255.16 3805.29,1241.74 3823.12,1223.91 3823.12,1176.88 U5.C8@3845.08,1154.92
  L4 w6: v1(1520,1199.37) 1543.71,1199.37 1585.17,1157.91 1743.09,1157.91 1773.83,1127.18 1890.61,1127.18 1900.28,1136.85 v1(1900.28,1138.3) ; v1(1890.54,1329.61) 1888.68,1331.47 1888.68,1372.27 2114.03,1597.61 2306.18,1597.61 v1(2309.3,1594.49) ; v1@2309.06,1594.49 2309.06,1577.76 2356.02,1530.8 2419.34,1530.8 2423.77,1526.36 2866.35,1526.36 2888.4,1504.31 3187.76,1504.31 3224.41,1540.97 3224.41,1563.63 3255.27,1594.49 3302.69,1594.49 3324.34,1572.83 3410.33,1572.83 3466.58,1516.59 v1(3466.58,1489.17) 3505.75,1450 TP68.1@3506,1450.25 ; v1(3405.51,1385.3) 3715.09,1385.3 3804.13,1296.26 v1(3804.13,1256.32)
P23: J6.13 J24.2 TP71.1 U5.D7 | length 2086.4
  L1 w5.91: v1(3497.46,715.07) 3499.75,715.07 3500.25,714.57 3533.13,714.57
  L1 w6: v1(3167.27,715.07) 3166.32,716.01 3166.32,1266.27 3184.72,1284.66 3204.94,1284.66 3232.28,1312.01 3232.28,1343.5 J6.13@3238.78,1350 3255.86,1367.08 3279.49,1367.08 3283,1370.59 v1(3283,1388) ; 3533.13,714.57 J24.2@3533.13,718.76 ; U5.D7@3888.39,1111.61 3903.09,1096.91 v1(3903.09,1086.61)
  L4 w5.91: v1(3167.27,715.07) v1(3497.46,715.07)
  L4 w6: TP71.1@3281,1350.5 3283,1352.5 v1(3283,1388) 3321.07,1388 3337.28,1404.21 3717.84,1404.21 3843.69,1278.36 3843.69,1168.39 3811.02,1135.72 3811.02,1116.47 3825.15,1102.33 3887.37,1102.33 v1(3903.09,1086.61)
P24: J6.14 J21.2 TP70.1 U5.H1 | length 1706.3
  L1 w6: v1(3370,854.7) 3370,858.24 3373.66,861.9 3373.66,1154.87 3416.44,1197.65 3487.87,1197.65 3515.8,1225.58 3515.8,1328.3 3502.95,1341.15 3470.07,1341.15 J6.14@3461.22,1350 3460.72,1350.5 v1(3405.02,1350.5) ; J21.2@3598.13,718.76 3598.13,754.92 3621.04,777.82 3621.04,813.3 3632.99,825.24 3640.35,825.24 v1(3640.47,825.37) ; v1(4039.85,805.12) 4039.7,804.97 4039.96,804.7 4061.61,826.35 U5.H1@4061.61,851.77
  L4 w6: v1(3370,854.7) 3385.43,854.7 3421.75,818.38 3633.73,818.38 3640.47,825.12 v1(3640.47,825.37) ; v1(3405.02,1350.5) TP70.1@3506,1350.5 ; v1@3640.6,825.24 3644.14,825.24 3654.17,835.27 3680.61,835.27 3686.83,841.49 3720.2,841.49 3755.49,806.2 3904.18,806.2 3922.05,824.06 4020.9,824.06 v1(4039.85,805.12)
P25: J28.5 TP79.1 U5.G3 | length 3098.3
  L1 w6: U5.G3@4018.31,938.39 4027.17,947.24 4027.17,970.2 4038.65,981.69 4068.32,981.69 v1(4071.02,979)
  L1 w8: J28.5@2000,92.32 v1(2000,150) J28.5@2000,207.68
  L4 w6: TP79.1@2000,110 v1(2000,150) 1940.94,209.06 1940.94,471.91 2009.93,540.89 3572.55,540.89 3599.76,568.1 3933.79,568.1 4056.61,690.92 4056.61,712.66 4084.17,740.22 4084.17,946.42 4074.8,955.8 4074.8,975.22 v1(4071.02,979)
P26: J28.6 TP78.1 U5.G2 | length 2999.3
  L1 w6: U5.G2@4018.31,895.08 3997.13,873.9 3997.13,739.09 4028.09,708.13 v1(4079.31,708.13)
  L1 w8: J28.6@2100,92.32 J28.6@2100,207.68
  L4 w6: TP78.1@2100,110 v1(2100,150) 1981.98,268.02 1981.98,491.6 2019.38,528.99 3577.48,528.99 3604.69,556.2 3938.72,556.2 4079.31,696.78 v1(4079.31,708.13)
P27: J1.3 TP53.1 U5.H3 | length 5427.3
  L1 w6: v1(2137.71,1791.3) 2103.44,1757.03 2103.44,1347.51 2149.4,1301.55 2319.82,1301.55 2347.91,1273.46 2347.91,886.46 2336.99,875.54 2336.86,875.54 2293.54,832.22 2293.54,791.93 2274.41,772.8 2274.41,745.79 v1(2241.6,712.98) ; v1(4051.11,962.43) 4052.8,960.73 4052.8,947.2 U5.H3@4061.61,938.39
  L1 w8: J1.3@540,1992.32 v1(540,2050) J1.3@540,2107.68
  L4 w6: TP53.1@540,2090 v1(540,2050) 540,2013.15 578.74,1974.41 760.51,1974.41 829.41,1905.51 1290.41,1905.51 1349.46,1846.46 1675.89,1846.46 1705.42,1816.93 1994.09,1816.93 2038.29,1772.73 2119.15,1772.73 v1(2137.71,1791.3) ; v1(2241.6,712.98) 2242.24,713.62 2250.8,713.62 2250.8,712.67 2268.85,694.62 2687.45,694.62 2780.85,601.21 2835.59,601.21 2859.85,625.47 2895.65,625.47 2919.91,601.21 3526.11,601.21 3558.76,633.86 3929.24,633.86 4027.94,732.56 4027.94,734.32 4039.96,746.34 4039.96,761.66 4070.77,792.47 4070.77,942.1 4051.11,961.77 v1(4051.11,962.43)
P28: J4.2 J6.15 TP73.1 U5.J8 | length 2224.8
  L1 w5.91: v1(3365.16,1249.42) 3372.99,1257.26 3372.99,1561.31 3417.33,1605.65 3529.53,1605.65 3560.83,1636.94 3560.83,1701.22 v1(3679.69,1820.08) ; 3549.43,2128.35 3552.52,2131.44 J4.2@3586.38,2131.44
  L1 w6: J6.15@3238.78,1250 3239.36,1249.42 v1(3313.21,1249.42) ; v1(4079.31,1263.78) 4079.31,1263.33 4077.76,1261.77 4125.98,1213.55 4125.98,1175.98 U5.J8@4104.92,1154.92
  L1 w7.87: 3549.43,2128.35 3528.89,2107.8 3528.89,1945.52 3562.27,1912.14 3587.63,1912.14 v1(3679.69,1820.08)
  L4 w6: TP73.1@3281,1250.75 3281.38,1250.38 v1@3313.21,1250.38 ; v1(3313.21,1249.42) v1(3365.16,1249.42) v1@3370,1249.42 ; v1@3682.97,1820.08 3682.97,1806.9 3723.52,1766.35 3723.52,1690.98 3998.41,1416.09 3998.41,1412.91 3998.81,1412.51 3998.81,1344.28 v1(4079.31,1263.78)
  L4 w7.87: v1(3679.69,1820.08) v1@3682.97,1820.08
P29: J5.2 J6.16 TP72.1 U5.H7 | length 2712.7
  L1 w6: v1@3407.16,1250.75 3460.47,1250.75 J6.16@3461.22,1250 ; v1(3407.16,1251.01) 3406.48,1251.01 3402.97,1254.52 3402.97,1325.82 3386.12,1342.67 3386.12,1557.66 3420.97,1592.52 3547.3,1592.52 3565.57,1610.79 v1@3610.02,1610.79 ; J5.2@4035.43,2131.89 4067.16,2131.89
  L1 w7.87: v1(3610.34,1611.11) 3596.68,1624.77 3596.68,1709.01 3699.8,1812.13 3699.8,1858.29 3631.92,1926.18 3567.72,1926.18 3542.66,1951.23 3542.66,2003.99 3600.68,2062.01 4018.11,2062.01 4067.19,2111.08 4067.19,2131.91 ; v1(4026.21,1082.34) 4033.84,1089.96 4034.19,1089.96 4039.96,1095.73 4039.96,1096.09 4055.49,1111.61 U5.H7@4061.61,1111.61
  L4 w6: v1(3407.16,1251.01) 3407.29,1250.88 3505.87,1250.88 TP72.1@3506,1250.75 ; v1(3610.34,1611.11) 3636.77,1584.69 3779.3,1584.69 3789.92,1574.07 3962.69,1401.29 3962.69,1325.8 3997.14,1291.35 3997.14,1111.41 v1(4026.21,1082.34)
P30: J6.17 J7.2 TP75.1 U5.H8 | length 3060.3
  L1 w6: v1(2899.99,1354.54) 2899.99,1377.13 2905.08,1382.22 2905.21,1382.35 2906.59,1383.73 2908.44,1385.58 2908.44,1711.52 3119.21,1922.28 3127.92,1922.28 3129.92,1924.29 v1(3130.44,1923.77) ; J6.17@3238.78,1150 3241.95,1146.83 3246.13,1151 3256.55,1161.42 v1(3314.48,1161.42) ; v1@3652.17,1945.52 3652.17,1926.67 3716.67,1862.17 3716.67,1663.67 4047.03,1333.31 4047.03,1249.42 4084.17,1212.28 4084.17,1177.48 U5.H8@4061.61,1154.92
  L1 w7.87: 3562.87,1992 3556.44,1985.58 3556.44,1958.32 3569.24,1945.52 3645.85,1945.52 v1(3647.53,1947.2) ; v1@3647.7,1945.52 v1@3652.17,1945.52
  L1 w8: 3562.87,1992 J7.2@3587.4,1992
  L4 w6: v1(2899.99,1354.54) 2880.29,1334.83 2880.29,1302.72 2888.62,1294.39 3001.06,1294.39 3091.69,1203.76 3189.84,1203.76 3190,1203.76 3195.33,1203.76 3197.95,1203.76 3250.71,1151 TP75.1@3281,1151 ; v1(3130.44,1923.77) 3130.44,1924.29 3153.62,1924.29 3171.25,1941.92 3213.75,1941.92 3264.28,1992.45 3528.74,1992.45 3575.66,1945.52 3645.85,1945.52 v1(3647.53,1947.2) ; TP75.1@3281,1151 TP75.1@3291.42,1161.42 ; TP75.1@3281,1151 TP75.1@3291.42,1161.42 ; TP75.1@3291.42,1161.42 v1(3314.48,1161.42) TP75.1@3291.42,1161.42
P31: J6.18 J8.2 TP74.1 U5.J9 | length 3419.6
  L1 w6: v1(2900.29,1313.59) 2900.57,1313.59 2900.57,1328.38 2920.35,1348.16 2920.35,1380.65 2920.35,1705.05 3109.98,1894.69 v1(3128.94,1894.69) ; v1(3401.17,1146.83) 3458.05,1146.83 J6.18@3461.22,1150 ; J8.2@4034,1992 4060.72,1992 4069.1,1983.62 4069.1,1963.01 4047.03,1940.94 3804.13,1940.94 3771.65,1908.46 v1(3771.65,1767.72) 3771.65,1627.16 4059.44,1339.37 4059.44,1255.16 4096.24,1218.36 4096.24,1206.91 U5.J9@4104.92,1198.23
  L4 w5.91: v1(2900.29,1313.59) 2907.64,1306.24 3005.97,1306.24 3096.6,1215.61 3194.76,1215.61 3194.92,1215.61 3202.87,1215.61 3237.24,1181.24 3366.76,1181.24 3396.99,1151 v1@3401.17,1151 ; v1(3401.17,1146.83) v1@3401.17,1151 ; TP74.1@3506,1151 v1@3401.17,1151
  L4 w6: v1(3128.94,1894.69) 3145.67,1894.69 3181,1930.02 3218.68,1930.02 3269.21,1980.54 3515.7,1980.54 3652.74,1843.5 3695.87,1843.5 v1(3771.65,1767.72)
P100: J2.8 R77.1 TP23.1 TP38.1 U5.A4 U12.7 | length 3800
  L1 w6: J2.8@2100,2107.68 J2.8@2100,1992.32 2100,1953.74 2257.76,1953.74 2340.81,1870.69 2340.81,1856.67 2341.14,1856.34 2341.14,1822.34 2340.75,1821.94 2340.75,1461.5 2315.65,1436.41 2315.65,1434.62 2312.19,1431.16 2312.19,1404.33 v1(2305.19,1404.33) ; U12.7@3013.5,759.84 3029.03,759.84 3032.87,756 3034.52,756 3041.49,749.03 3041.49,675.23 ; 3036.7,575.79 3036.7,577.4 3038.31,575.79 ; 3037.51,576.59 3037.51,511.16 v1(3060.67,488) ; R77.1@3061.22,676.2 3060.26,675.23 3041.49,675.23 ; TP23.1@3066.73,575.79 3038.31,575.79 ; v1@3736.4,975.47 3736.73,975.8 v1(3736.73,978.83) 3755.11,978.83 3758.22,981.94 U5.A4@3758.46,981.69 ; 3038.31,575.79 3038.31,626.88 3041.49,630.06 3041.49,675.23
  L3 w6: v1(3060.67,488) 3060.67,560.38 3272.3,772.01 3272.3,1087.77 v1(3312.56,1128.03)
  L4 w6: v1(2305.19,1404.33) 2307.11,1404.33 2315.18,1412.4 2406.6,1412.4 2447.84,1453.65 2790.45,1453.65 2844.49,1399.61 2844.49,1312.09 2874.1,1282.48 2996.13,1282.48 3086.76,1191.85 3193.02,1191.85 3264.38,1120.5 v1@3312.56,1120.5 ; v1(3312.56,1128.03) v1@3312.56,1120.5 ; v1(3736.73,978.83) 3729.07,978.83 3729.07,981.44 3727.96,982.55 3727.96,986.66 3716.88,997.74 3701.22,997.74 3694.83,991.35 3649.33,991.35 3520.18,1120.5 v1@3312.56,1120.5
  L4 w8: v1(2100,2050) TP38.1@2100,2090
P101: J2.7 R78.1 TP22.1 TP39.1 U5.C4 U12.6 | length 4083.7
  L1 w6: J2.7@2000,2107.68 J2.7@2000,1992.32 2000,1938.98 2255.69,1938.98 2328.9,1865.76 2328.9,1826.93 2328.84,1826.87 2328.84,1466.43 2303.75,1441.34 2303.75,1439.56 2293.31,1429.12 2293.31,1427.31 v1(2293.23,1427.31) ; TP22.1@2992.92,578.74 3024.27,578.74 ; R78.1@3008.37,628.94 3023.53,628.94 3024.27,629.67 ; U12.6@3013.5,744.09 3029.59,744.09 3029.59,634.99 3024.27,629.67 ; v1(3024.27,486.5) 3024.27,578.74 ; U5.C4@3845.08,981.69 3854.73,991.35 v1(3869.94,991.35) ; 3024.27,578.74 3024.27,629.67
  L3 w6: v1(3024.27,486.5) 3048.76,510.99 3048.76,580.61 3055.84,587.69 3071.14,587.69 3260.39,776.94 3260.39,1197.51 v1@3275,1212.12
  L4 w6: v1(2293.23,1427.31) 2293.34,1427.2 2302.17,1436.02 2413.39,1436.02 2442.91,1465.55 2837.6,1465.55 2972.81,1330.34 3015.48,1330.34 3106.44,1239.38 3212.71,1239.38 3247.09,1205 v1@3275,1205 ; v1(3275,1212.28) v1@3275,1205 ; v1(3869.94,991.35) 3887.51,1008.91 3887.51,1026.53 3876.43,1037.61 3858.25,1037.61 3835.9,1015.25 3749.69,1015.25 3743.03,1008.59 3727.37,1008.59 3716.3,1019.67 3716.3,1029.79 3632.73,1113.35 3606.4,1113.35 3514.75,1205 v1@3275,1205
  L4 w8: v1(2000,2050) TP39.1@2000,2090
P102: J1.2 TP54.1 U5.B4 | length 4228.6
  L1 w6: J1.2@440,1992.32 440,1968.91 468.85,1940.06 1353.24,1940.06 1354.32,1938.98 1358.27,1938.98 1416.53,1880.72 1643.01,1880.72 1768.12,1755.61 1828.16,1755.61 1888.05,1695.71 1962.75,1695.71 2028.45,1630.02 2028.45,1399.48 1994.73,1365.77 v1(1995.28,1365.22) ; v1(3709.87,929.65) 3711.54,929.65 3741.73,959.84 3779.92,959.84 U5.B4@3801.77,981.69
  L1 w8: J1.2@440,1992.32 v1(440,2050) J1.2@440,2107.68
  L4 w6: v1(1995.28,1365.22) 2011.07,1365.22 2027.08,1349.21 2286.43,1349.21 2326.99,1389.76 2595.06,1389.76 2707.85,1276.98 2829.09,1276.98 2860.72,1245.35 2861.73,1245.35 2982.74,1245.35 3071.96,1156.13 3170.12,1156.13 3170.28,1156.13 3175.6,1156.13 3178.23,1156.13 3250.51,1083.85 3415.88,1083.85 3465.74,1033.99 3489.26,1010.47 3496.52,1010.47 3520.32,986.68 3568.9,938.09 3701.42,938.09 v1(3709.87,929.65)
  L4 w8: v1(440,2050) TP54.1@440,2090
P103: J1.1 TP55.1 U5.A3 | length 4452.6
  L1 w6: J1.1@340,1992.32 340,1969.06 356.3,1952.76 403.73,1952.76 428.34,1928.15 1348.31,1928.15 1407.65,1868.81 1638.08,1868.81 1763.21,1743.68 1823.25,1743.68 1883.12,1683.81 1957.82,1683.81 2015.75,1625.88 2015.75,1414.61 1976.37,1375.23 1976.37,1342.41 1982.64,1342.41 v1(1983.37,1341.69) ; v1(3699.37,890.15) v1@3699.41,890.19 ; v1@3699.45,890.23 3699.52,890.23 3699.52,890.3 3699.68,890.3 3699.68,892.72 3728.77,921.82 3741.73,934.78 3754.86,934.78 U5.A3@3758.46,938.39
  L1 w8: J1.1@340,1992.32 v1(340,2050) J1.1@340,2107.68
  L4 w6: v1(1983.37,1341.69) 1979.56,1337.87 1987.7,1329.72 2290.4,1329.72 2338.53,1377.86 2587.69,1377.86 2731.32,1234.23 2836.64,1234.23 2849.32,1221.54 2972.88,1221.54 3062.1,1132.32 3168.36,1132.32 3289.73,1010.95 3343.55,1010.95 3392.64,1060.04 3406.02,1060.04 3441.93,1024.13 3441.93,1023.74 3479,986.66 3486.66,986.66 3587.6,885.72 3587.6,849.21 3599.21,837.6 3618.6,837.6 3628.18,847.18 3675.68,847.18 3699.98,871.48 3699.98,889.84 3699.68,890.15 3699.6,890.23 3699.52,890.15 3699.49,890.19 v1(3699.37,890.15) 3699.41,890.19 v1(3699.37,890.15)
  L4 w8: v1(340,2050) TP55.1@340,2090
P104: J2.6 TP40.1 U5.G4 | length 3960.9
  L1 w6: J2.6@1900,2107.68 v1(1900,2050) J2.6@1900,1992.32 1900,1857.87 2053.15,1704.72 2053.15,1365.55 1974.29,1286.69 1974.29,1176.63 1978.43,1172.49 1978.43,1167.96 1985.72,1160.67 1985.72,1116.55 2001.39,1100.87 2319.82,1100.87 2336,1084.69 2336,908.19 2272.67,844.86 v1(2272.67,797.79) ; U5.G4@4018.31,1003.35 v1(4043.45,1003.35)
  L4 w6: v1(2272.67,797.79) 2277.15,802.28 2299.98,802.28 2317.57,784.69 2318.97,784.69 2330.04,773.62 2330.04,772.22 2346.35,755.91 2400.59,755.91 2712.7,755.91 2713.4,755.2 2713.82,755.2 2772.86,696.17 2802.18,696.17 2821.62,696.17 2827.14,690.65 2872.08,690.65 2897.6,690.65 2926.38,690.65 2931.9,696.17 3668.7,696.17 3683.7,711.16 3745.36,711.16 3756.45,722.25 3832.44,722.25 3849.48,705.21 3850.06,705.21 3864.61,690.66 3927.11,690.66 4005.45,769 4030.46,769 4058.86,797.4 4058.86,920.86 4032.2,947.52 4032.2,992.1 v1(4043.45,1003.35)
  L4 w8: v1(1900,2050) TP40.1@1900,2090
P105: J2.5 TP41.1 U5.E9 | length 2881.8
  L1 w6: J2.5@1800,2107.68 J2.5@1800,1992.32 1804.3,1988.02 1804.3,1928.09 1972.44,1759.95 v1(1972.44,1726) ; U5.E9@3931.69,1198.23 3939.65,1206.19 3939.65,1235.01 v1(3946.74,1242.1) v1@3939.65,1242.1
  L4 w6: v1(1972.44,1726) 1984.19,1726 1996.1,1714.09 1996.99,1713.2 2157.44,1713.2 2184.48,1740.25 2440.83,1740.25 2456.16,1755.58 2737.68,1755.58 3069.42,1755.58 3128.95,1696.05 3131.84,1696.05 3220.96,1696.05 3549.43,1696.05 3566.04,1679.45 3566.04,1595 3612.07,1548.97 3763.03,1548.97 3926.98,1385.02 3926.98,1311 3946.74,1291.24 v1(3946.74,1242.1)
  L4 w8: v1(1800,2050) TP41.1@1800,2090
P106: J2.4 TP42.1 U5.G1 | length 4047.1
  L1 w6: J2.4@1700,2107.68 J2.4@1700,1992.32 1700,1893.35 1774.64,1818.71 1892.8,1818.71 1948.02,1763.49 1948.02,1723.58 1963.98,1707.62 1967.68,1707.62 2040.35,1634.95 2040.35,1369.59 1962.39,1291.62 1962.39,1171.7 1966.53,1167.56 1966.53,1163.02 1973.81,1155.74 1973.81,1111.62 1998.93,1086.5 2317.35,1086.5 2324.09,1079.76 2324.09,913.64 2253.77,843.31 2253.77,789.96 2260.45,783.27 2260.45,760.07 v1(2240.84,740.46) ; v1(4016.04,750.09) 4016.04,752.8 4018.31,755.07 4018.31,777.48 4009.04,786.76 4009.04,822.1 4018.31,831.38 U5.G1@4018.31,851.77
  L4 w6: v1(2240.84,740.46) 2262.7,718.61 2262.7,717.6 2273.78,706.52 2692.38,706.52 2784.9,614 2831.25,614 2860.27,643.02 2894.93,643.02 2923.96,614 3522.06,614 3553.83,645.76 3911.7,645.76 v1(4016.04,750.09)
  L4 w8: v1(1700,2050) TP42.1@1700,2090
P107: J2.3 TP43.1 U5.F7 | length 3251.5
  L1 w5.91: U5.F7@3975,1111.61 U5.F7@3975.59,1111.03
  L1 w6: J2.3@1600,2107.68 1599,2106.68 1599,2050 1600,2049 J2.3@1600,1992.32 1600,1939.37 1622.94,1916.43 1657.8,1916.43 1773.06,1801.18 1892.62,1801.18 1907.59,1786.21 v1(1907.59,1735.24) ; v1(3971.89,1082.34) 3971.89,1108.5 U5.F7@3975,1111.61
  L4 w6: v1(1907.59,1735.24) 1954.72,1735.24 1964.46,1744.98 1982.05,1744.98 2001.03,1726 2001.92,1725.11 2152.5,1725.11 2194.88,1767.49 3074.35,1767.49 3133.88,1707.96 3136.77,1707.96 3225.89,1707.96 3554.36,1707.96 3577.94,1684.38 3577.94,1599.93 3617,1560.88 3767.96,1560.88 3938.88,1389.95 3938.88,1315.93 3958.66,1296.16 3958.66,1287.13 3965.65,1280.14 3971.89,1273.9 v1(3971.89,1082.34) ; v1(3965.65,1279.15) v1@3966.14,1279.65
  L4 w8: v1(1600,2050) TP43.1@1600,2090
P108: J2.2 TP44.1 U5.G5 | length 3409
  L1 w6: J2.2@1500,2107.68 J2.2@1500,1992.32 1500,1923.6 1519.07,1904.53 1652.87,1904.53 1770.98,1786.42 1875,1786.42 1888.37,1773.05 v1(1888.68,1773.05) ; U5.G5@4018.31,1046.65 4019.33,1045.63 v1(4043.2,1045.63)
  L4 w6: v1(1888.68,1773.05) 1889.43,1772.3 1905.02,1772.3 1921.11,1788.39 1989.15,1788.39 2016.71,1760.83 2137.71,1760.83 2180.09,1803.2 3181.16,1803.2 3192.93,1791.43 3513.36,1791.43 3609.13,1695.66 3609.13,1643.12 3655.66,1596.59 3784.23,1596.59 3801.82,1579 3974.6,1406.22 3974.6,1403.05 3975,1402.65 3975,1330.34 4009.05,1296.29 4009.05,1130.51 4046.24,1093.32 4046.24,1048.67 v1(4043.2,1045.63)
  L4 w8: v1(1500,2050) TP44.1@1500,2090
P109: J2.1 TP45.1 U5.G7 | length 3456.4
  L1 w6: J2.1@1400,2107.68 v1(1400,2050) J2.1@1400,1992.32 1400,1921.03 1428.4,1892.62 1647.94,1892.62 1773.05,1767.51 v1(1859.25,1767.51) ; v1(3998.65,1082.34) 3998.65,1091.96 U5.G7@4018.31,1111.61
  L4 w6: v1(1400,2050) TP45.1@1400,2090 ; v1(1859.25,1767.51) 1872.62,1754.14 1915.42,1754.14 1919.68,1749.88 1948.02,1749.88 1955.02,1756.88 1986.98,1756.88 2006.85,1737.02 2147.57,1737.02 2189.95,1779.39 3079.28,1779.39 3138.81,1719.86 3559.3,1719.86 3589.85,1689.31 3589.85,1604.87 3621.94,1572.78 3774.37,1572.78 3778.01,1569.14 3950.79,1396.36 3950.79,1320.87 3985.24,1286.42 3985.24,1102.82 3998.65,1089.4 v1(3998.65,1082.34)
P110: J1.10 TP46.1 U5.J7 | length 3723.2
  L1 w6: J1.10@1240,1992.32 J1.10@1240,2107.68 v1(1240,2050) ; v1(4066,1083.85) 4066,1085.42 4061.85,1089.57 4082.87,1089.57 U5.J7@4104.92,1111.61
  L4 w6: TP46.1@1240,2090 v1(1240,2050) 1312.07,1977.93 1319.01,1977.93 1328.75,1968.19 2002.95,1968.19 2095.37,1875.78 3143.6,1875.78 3185.93,1918.11 3554.93,1918.11 3711.61,1761.42 3711.61,1686.05 3986.5,1411.16 3986.5,1407.98 3986.9,1407.58 3986.9,1335.27 4020.95,1301.22 4020.95,1135.45 4058.15,1098.25 4058.15,1095.94 4066,1088.09 v1(4066,1083.85)